# KiCad board armory.kicad_pcb (continued)
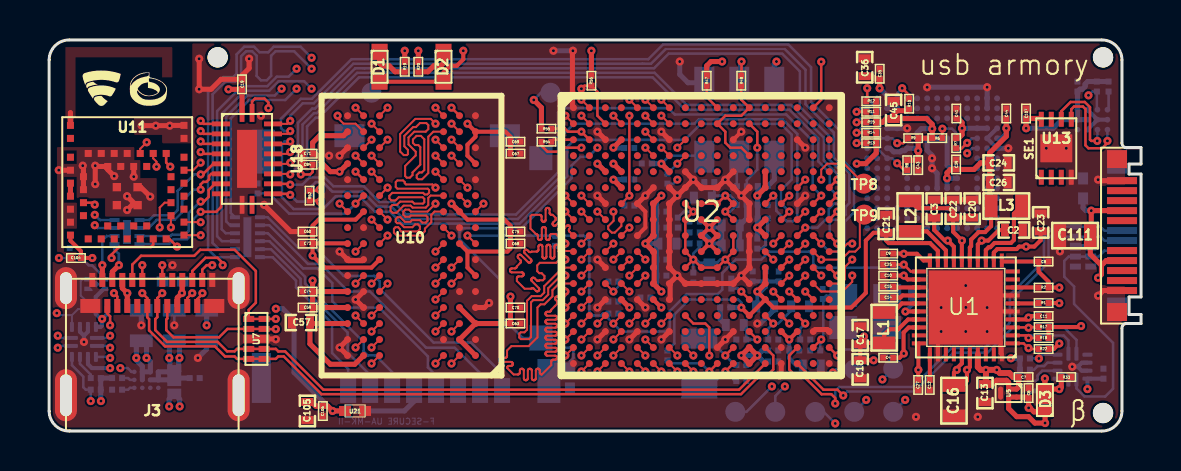
[diagram p0: board, top side]
## Routing (per net, layer and track width the routed paths; a pad name or vN(x,y) marks a point on that pad's centre or on a via; arc(x,y) is an arc through that point) (continued)
/eMMC/SD2_DATA1: length 20.6
  TOP w0.1: U2.B7 v1(30.63,15.78)
  TOP w0.127: v1(40.4,14.93) R14.2
  SIGNAL_1 w0.127: v1(40.4,14.93) 40.78,15.31 40.78,16.12 40.55,16.36 39.88,16.36 39.66,16.14 37.38,16.14 37.36,16.14 37.34,16.13 37.32,16.12 37.3,16.1 37.29,16.08 37.28,16.06 37.28,16.02 37.27,16 37.26,15.98 37.24,15.96 37.23,15.95 37.2,15.94 37.18,15.94 37.13,15.94 37.11,15.94 37.08,15.95 37.07,15.96 37.05,15.98 37.04,16 37.03,16.02 37.03,16.04 37.03,16.24 37.03,16.26 37.02,16.28 37.01,16.3 36.99,16.32 36.97,16.33 36.95,16.34 36.93,16.34 36.87,16.34 36.85,16.34 36.83,16.33 36.81,16.32 36.8,16.3 36.78,16.28 36.78,16.26 36.77,16.24 36.77,16.04 36.77,16.02 36.76,16 36.75,15.98 36.74,15.96 36.72,15.95 36.7,15.94 36.67,15.94 36.62,15.94 36.6,15.94 36.58,15.95 36.56,15.96 36.54,15.98 36.53,16 36.52,16.02 36.52,16.04 36.52,16.24 36.52,16.26 36.51,16.28 36.5,16.3 36.48,16.32 36.46,16.33 36.44,16.34 36.42,16.34 36.37,16.34 36.34,16.34 36.32,16.33 36.3,16.32 36.29,16.3 36.28,16.28 36.27,16.26 36.27,16.24 36.27,16.04 36.26,16.02 36.26,16 36.24,15.98 36.23,15.96 36.21,15.95 36.19,15.94 36.17,15.94 36.11,15.94 36.09,15.94 36.07,15.95 36.05,15.96 36.03,15.98 36.02,16 36.01,16.02 36.01,16.04 36.01,16.24 36.01,16.26 36,16.28 35.99,16.3 35.97,16.32 35.96,16.33 35.93,16.34 35.91,16.34 35.86,16.34 35.84,16.34 35.81,16.33 35.8,16.32 35.78,16.3 35.77,16.28 35.76,16.26 35.76,16.24 35.76,16.04 35.76,16.02 35.75,16 35.74,15.98 35.72,15.96 35.7,15.95 35.68,15.94 35.66,15.94 35.6,15.94 35.58,15.94 35.56,15.95 35.54,15.96 35.53,15.98 35.51,16 35.51,16.02 35.5,16.04 35.5,16.24 35.5,16.26 35.49,16.28 35.48,16.3 35.47,16.32 35.45,16.33 35.43,16.34 35.4,16.34 35.35,16.34 35.33,16.34 35.31,16.33 35.29,16.32 35.27,16.3 35.26,16.28 35.25,16.26 35.25,16.24 35.25,16.04 35.25,16.02 35.24,16 35.23,15.98 35.21,15.96 35.19,15.95 35.17,15.94 35.15,15.94 35.1,15.94 35.07,15.94 35.05,15.95 35.03,15.96 35.02,15.98 35.01,16 35,16.02 35,16.04 35,16.24 34.99,16.26 34.99,16.28 34.97,16.3 34.96,16.32 34.94,16.33 34.92,16.34 34.9,16.34 34.84,16.34 34.82,16.34 34.8,16.33 34.78,16.32 34.76,16.3 34.75,16.28 34.74,16.26 34.74,16.24 34.74,16.04 34.74,16.02 34.73,16 34.72,15.98 34.7,15.96 34.69,15.95 34.66,15.94 34.64,15.94 34.59,15.94 34.57,15.94 34.54,15.95 34.53,15.96 34.51,15.98 34.5,16 34.49,16.02 34.49,16.04 34.49,16.24 34.49,16.26 34.48,16.28 34.47,16.3 34.45,16.32 34.43,16.33 34.41,16.34 34.39,16.34 34.33,16.34 34.31,16.34 34.29,16.33 34.27,16.32 34.26,16.3 34.24,16.28 34.24,16.26 34.23,16.24 34.23,16.04 34.23,16.02 34.22,16 34.21,15.98 34.2,15.96 34.18,15.95 34.16,15.94 34.13,15.94 34.08,15.94 34.06,15.94 34.04,15.95 34.02,15.96 34,15.98 33.99,16 33.98,16.02 33.98,16.04 33.98,16.24 33.98,16.26 33.97,16.28 33.96,16.3 33.94,16.32 33.92,16.33 33.9,16.34 33.88,16.34 33.83,16.34 33.8,16.34 33.78,16.33 33.76,16.32 33.75,16.3 33.74,16.28 33.73,16.26 33.73,16.24 33.73,16.04 33.72,16.02 33.72,16 33.7,15.98 33.69,15.96 33.67,15.95 33.65,15.94 33.63,15.94 33.57,15.94 33.55,15.94 33.53,15.95 33.51,15.96 33.49,15.98 33.48,16 33.47,16.02 33.47,16.04 33.47,16.24 33.47,16.26 33.46,16.28 33.45,16.3 33.43,16.32 33.42,16.33 33.39,16.34 33.37,16.34 33.32,16.34 33.3,16.34 33.27,16.33 33.26,16.32 33.24,16.3 33.23,16.28 33.22,16.26 33.22,16.24 33.22,16.04 33.22,16.02 33.21,16 33.2,15.98 33.18,15.96 33.16,15.95 33.14,15.94 33.12,15.94 33.06,15.94 33.04,15.94 33.02,15.95 33,15.96 32.99,15.98 32.97,16 32.97,16.02 32.96,16.04 32.96,16.24 32.96,16.26 32.95,16.28 32.94,16.3 32.93,16.32 32.91,16.33 32.89,16.34 32.86,16.34 32.81,16.34 32.79,16.34 32.77,16.33 32.75,16.32 32.73,16.3 32.72,16.28 32.71,16.26 32.71,16.24 32.71,16.04 32.71,16.02 32.7,16 32.69,15.98 32.67,15.96 32.65,15.95 32.63,15.94 32.61,15.94 32.56,15.94 32.53,15.94 32.51,15.95 32.49,15.96 32.48,15.98 32.47,16 32.46,16.02 32.46,16.04 32.46,16.24 32.45,16.26 32.45,16.28 32.43,16.3 32.42,16.32 32.4,16.33 32.38,16.34 32.36,16.34 32.3,16.34 32.28,16.34 32.26,16.33 32.24,16.32 32.22,16.3 32.21,16.28 32.2,16.26 32.2,16.24 32.2,16.04 32.2,16.02 32.19,16 32.18,15.98 32.16,15.96 32.15,15.95 32.12,15.94 32.1,15.94 32.05,15.94 32.03,15.94 32,15.95 31.99,15.96 31.97,15.98 31.96,16 31.95,16.02 31.95,16.04 31.95,16.24 31.95,16.26 31.94,16.28 31.93,16.3 31.91,16.32 31.89,16.33 31.87,16.34 31.85,16.34 31.79,16.34 31.77,16.34 31.75,16.33 31.73,16.32 31.72,16.3 31.7,16.28 31.7,16.26 31.69,16.24 31.69,16.14 31.69,16.04 31.69,16.02 31.68,16 31.67,15.98 31.66,15.96 31.64,15.95 31.62,15.94 31.59,15.94 31.54,15.94 31.52,15.94 31.5,15.95 31.48,15.96 31.46,15.98 31.45,16 31.44,16.02 31.44,16.06 31.43,16.08 31.42,16.1 31.4,16.12 31.38,16.13 31.36,16.14 31.34,16.14 30.99,16.14 v1(30.63,15.78)
  BOTTOM w0.127: v1(40.4,14.93) 40.62,15.15 U3.A4
/eMMC/SD2_DATA2: length 20.6
  TOP w0.1: U2.A7 v1(30.63,16.58)
  TOP w0.127: R13.2 40.41,14.41 v1(40.4,14.41)
  SIGNAL_1 w0.127: v1(30.63,16.58) 30.63,16.58 31.06,16.58 31.09,16.59 31.12,16.59 31.14,16.61 31.16,16.63 31.17,16.65 31.18,16.68 31.19,16.71 31.19,16.75 31.19,16.78 31.2,16.8 31.21,16.83 31.23,16.85 31.26,16.86 31.29,16.87 31.31,16.87 31.34,16.87 31.37,16.86 31.39,16.85 31.41,16.83 31.43,16.8 31.44,16.78 31.44,16.75 31.44,16.71 31.44,16.68 31.45,16.65 31.47,16.63 31.49,16.61 31.51,16.59 31.54,16.59 31.57,16.58 31.6,16.59 31.62,16.59 31.65,16.61 31.67,16.63 31.68,16.65 31.69,16.68 31.69,16.71 31.69,16.75 31.7,16.78 31.71,16.8 31.72,16.83 31.74,16.85 31.77,16.86 31.79,16.87 31.82,16.87 31.85,16.87 31.88,16.86 31.9,16.85 31.92,16.83 31.94,16.8 31.95,16.78 31.95,16.75 31.95,16.71 31.95,16.68 31.96,16.65 31.98,16.63 32,16.61 32.02,16.59 32.05,16.59 32.08,16.58 32.1,16.59 32.13,16.59 32.16,16.61 32.18,16.63 32.19,16.65 32.2,16.68 32.2,16.71 32.2,16.75 32.21,16.78 32.22,16.8 32.23,16.83 32.25,16.85 32.27,16.86 32.3,16.87 32.33,16.87 32.36,16.87 32.39,16.86 32.41,16.85 32.43,16.83 32.44,16.8 32.45,16.78 32.46,16.75 32.46,16.71 32.46,16.68 32.47,16.65 32.48,16.63 32.5,16.61 32.53,16.59 32.56,16.59 32.58,16.58 32.61,16.59 32.64,16.59 32.66,16.61 32.68,16.63 32.7,16.65 32.71,16.68 32.71,16.71 32.71,16.75 32.71,16.78 32.72,16.8 32.74,16.83 32.76,16.85 32.78,16.86 32.81,16.87 32.84,16.87 32.87,16.87 32.89,16.86 32.92,16.85 32.94,16.83 32.95,16.8 32.96,16.78 32.97,16.75 32.97,16.71 32.97,16.68 32.98,16.65 32.99,16.63 33.01,16.61 33.04,16.59 33.06,16.59 33.09,16.58 33.12,16.59 33.15,16.59 33.17,16.61 33.19,16.63 33.21,16.65 33.22,16.68 33.22,16.71 33.22,16.75 33.22,16.78 33.23,16.8 33.25,16.83 33.27,16.85 33.29,16.86 33.32,16.87 33.35,16.87 33.37,16.87 33.4,16.86 33.43,16.85 33.45,16.83 33.46,16.8 33.47,16.78 33.47,16.75 33.47,16.71 33.48,16.68 33.49,16.65 33.5,16.63 33.52,16.61 33.54,16.59 33.57,16.59 33.6,16.58 33.63,16.59 33.66,16.59 33.68,16.61 33.7,16.63 33.71,16.65 33.72,16.68 33.73,16.71 33.73,16.75 33.73,16.78 33.74,16.8 33.75,16.83 33.77,16.85 33.8,16.86 33.83,16.87 33.85,16.87 33.88,16.87 33.91,16.86 33.93,16.85 33.95,16.83 33.97,16.8 33.98,16.78 33.98,16.75 33.98,16.71 33.98,16.68 33.99,16.65 34.01,16.63 34.03,16.61 34.05,16.59 34.08,16.59 34.11,16.58 34.14,16.59 34.16,16.59 34.19,16.61 34.21,16.63 34.22,16.65 34.23,16.68 34.24,16.71 34.24,16.75 34.24,16.78 34.25,16.8 34.26,16.83 34.28,16.85 34.31,16.86 34.33,16.87 34.36,16.87 34.39,16.87 34.42,16.86 34.44,16.85 34.46,16.83 34.48,16.8 34.49,16.78 34.49,16.75 34.49,16.71 34.49,16.68 34.5,16.65 34.52,16.63 34.54,16.61 34.56,16.59 34.59,16.59 34.62,16.58 34.64,16.59 34.67,16.59 34.7,16.61 34.72,16.63 34.73,16.65 34.74,16.68 34.74,16.71 34.74,16.75 34.75,16.78 34.76,16.8 34.77,16.83 34.79,16.85 34.81,16.86 34.84,16.87 34.87,16.87 34.9,16.87 34.93,16.86 34.95,16.85 34.97,16.83 34.98,16.8 34.99,16.78 35,16.75 35,16.71 35,16.68 35.01,16.65 35.02,16.63 35.04,16.61 35.07,16.59 35.1,16.59 35.12,16.58 35.15,16.59 35.18,16.59 35.2,16.61 35.22,16.63 35.24,16.65 35.25,16.68 35.25,16.71 35.25,16.75 35.25,16.78 35.26,16.8 35.28,16.83 35.3,16.85 35.32,16.86 35.35,16.87 35.38,16.87 35.41,16.87 35.43,16.86 35.46,16.85 35.48,16.83 35.49,16.8 35.5,16.78 35.5,16.75 35.5,16.71 35.51,16.68 35.52,16.65 35.53,16.63 35.55,16.61 35.58,16.59 35.6,16.59 35.63,16.58 35.66,16.59 35.69,16.59 35.71,16.61 35.73,16.63 35.75,16.65 35.76,16.68 35.76,16.71 35.76,16.75 35.76,16.78 35.77,16.8 35.79,16.83 35.81,16.85 35.83,16.86 35.86,16.87 35.89,16.87 35.91,16.87 35.94,16.86 35.97,16.85 35.99,16.83 36,16.8 36.01,16.78 36.01,16.75 36.01,16.71 36.02,16.68 36.03,16.65 36.04,16.63 36.06,16.61 36.08,16.59 36.11,16.59 36.14,16.58 36.17,16.59 36.2,16.59 36.22,16.61 36.24,16.63 36.25,16.65 36.26,16.68 36.27,16.71 36.27,16.75 36.27,16.78 36.28,16.8 36.29,16.83 36.31,16.85 36.34,16.86 36.37,16.87 36.39,16.87 36.42,16.87 36.45,16.86 36.47,16.85 36.49,16.83 36.51,16.8 36.52,16.78 36.52,16.75 36.52,16.71 36.52,16.68 36.53,16.65 36.55,16.63 36.57,16.61 36.59,16.59 36.62,16.59 36.65,16.58 36.68,16.59 36.7,16.59 36.73,16.61 36.75,16.63 36.76,16.65 36.77,16.68 36.78,16.71 36.78,16.75 36.78,16.78 36.79,16.8 36.8,16.83 36.82,16.85 36.85,16.86 36.87,16.87 36.9,16.87 36.93,16.87 36.96,16.86 36.98,16.85 37,16.83 37.02,16.8 37.03,16.78 37.03,16.75 37.03,16.71 37.03,16.68 37.04,16.65 37.06,16.63 37.08,16.61 37.1,16.59 37.13,16.59 37.16,16.58 37.18,16.59 37.21,16.59 37.24,16.61 37.26,16.63 37.27,16.65 37.28,16.68 37.28,16.71 37.28,16.75 37.29,16.78 37.3,16.8 37.31,16.83 37.33,16.85 37.35,16.86 37.38,16.87 37.41,16.87 37.44,16.87 37.47,16.86 37.49,16.85 37.51,16.83 37.52,16.8 37.53,16.78 37.54,16.75 37.54,16.71 37.54,16.68 37.55,16.65 37.56,16.63 37.58,16.61 37.61,16.59 37.64,16.59 37.66,16.58 37.69,16.59 37.72,16.59 37.74,16.61 37.76,16.63 37.78,16.65 37.79,16.68 37.79,16.71 37.79,16.75 37.79,16.78 37.8,16.8 37.82,16.83 37.84,16.85 37.86,16.86 37.89,16.87 37.92,16.87 37.95,16.87 37.97,16.86 38,16.85 38.02,16.83 38.03,16.8 38.04,16.78 38.05,16.75 38.05,16.71 38.05,16.68 38.06,16.65 38.07,16.63 38.09,16.61 38.12,16.59 38.14,16.59 38.17,16.58 38.2,16.59 38.23,16.59 38.25,16.61 38.27,16.63 38.29,16.65 38.3,16.68 38.3,16.71 38.3,16.75 38.3,16.78 38.31,16.8 38.33,16.83 38.35,16.85 38.37,16.86 38.4,16.87 38.43,16.87 38.45,16.87 38.48,16.86 38.51,16.85 38.53,16.83 38.54,16.8 38.55,16.78 38.55,16.75 38.55,16.71 38.56,16.68 38.57,16.65 38.58,16.63 38.6,16.61 38.62,16.59 38.65,16.59 38.68,16.58 38.71,16.59 38.74,16.59 38.76,16.61 38.78,16.63 38.79,16.65 38.8,16.68 38.81,16.71 38.81,16.75 38.81,16.78 38.82,16.8 38.83,16.83 38.85,16.85 38.88,16.86 38.91,16.87 38.93,16.87 38.96,16.87 38.99,16.86 39.01,16.85 39.03,16.83 39.05,16.8 39.06,16.78 39.06,16.75 39.06,16.71 39.06,16.68 39.07,16.65 39.09,16.63 39.11,16.61 39.13,16.59 39.16,16.59 39.19,16.58 39.22,16.59 39.24,16.59 39.27,16.61 39.29,16.63 39.3,16.65 39.31,16.68 39.31,16.71 39.31,16.75 39.32,16.78 39.33,16.8 39.34,16.83 39.36,16.85 39.39,16.86 39.41,16.87 39.44,16.87 39.47,16.87 39.5,16.86 39.52,16.85 39.54,16.83 39.56,16.8 39.57,16.78 39.57,16.75 39.57,16.71 39.57,16.68 39.58,16.65 39.6,16.63 39.62,16.61 39.64,16.59 39.67,16.59 39.7,16.58 40.68,16.58 41.11,16.15 41.11,15.12 v1(40.4,14.41)
  BOTTOM w0.127: v1(40.4,14.41) 40.64,14.65 U3.A5
/eMMC/SD2_DATA3: length 20.8
  TOP w0.1: v1(29.83,14.18) U2.D6
  TOP w0.127: v1(40.93,17.16) 40.93,16.55 R12.2
  SIGNAL_1 w0.127: v1(40.93,17.16) 42.01,16.08 42.01,15.47 42.82,14.66 42.82,14.16 42.57,13.91 42.26,13.91 42.07,14.1 41.08,14.1 40.73,13.75 32.45,13.75 32.15,14.05 32.15,14.36 31.96,14.55 31.2,14.55 31.03,14.38 31.03,13.94 30.87,13.78 U2.D6 v1(29.83,14.18)
  BOTTOM w0.127: v1(40.93,17.15) U3.A1 U3.B2
/eMMC/SD2_DATA4: length 20.6
  TOP w0.1: v1(29.83,14.98) U2.C6
  TOP w0.127: R11.2 40.41,15.98 v1(40.4,15.97)
  SIGNAL_1 w0.127: v1(29.83,14.98) 30.23,15.38 31.09,15.38 31.22,15.51 31.53,15.51 31.55,15.51 31.57,15.5 31.59,15.49 31.61,15.47 31.62,15.45 31.63,15.43 31.63,15.39 31.64,15.37 31.65,15.35 31.67,15.33 31.69,15.32 31.71,15.31 31.73,15.31 31.78,15.31 31.81,15.31 31.83,15.32 31.85,15.33 31.86,15.35 31.87,15.37 31.88,15.39 31.88,15.41 31.88,15.61 31.89,15.63 31.89,15.65 31.91,15.67 31.92,15.69 31.94,15.7 31.96,15.71 31.98,15.71 32.04,15.71 32.06,15.71 32.08,15.7 32.1,15.69 32.12,15.67 32.13,15.65 32.14,15.63 32.14,15.61 32.14,15.41 32.14,15.39 32.15,15.37 32.16,15.35 32.18,15.33 32.19,15.32 32.22,15.31 32.24,15.31 32.29,15.31 32.31,15.31 32.34,15.32 32.35,15.33 32.37,15.35 32.38,15.37 32.39,15.39 32.39,15.41 32.39,15.61 32.39,15.63 32.4,15.65 32.41,15.67 32.43,15.69 32.45,15.7 32.47,15.71 32.49,15.71 32.55,15.71 32.57,15.71 32.59,15.7 32.61,15.69 32.62,15.67 32.64,15.65 32.64,15.63 32.65,15.61 32.65,15.41 32.65,15.39 32.66,15.37 32.67,15.35 32.68,15.33 32.7,15.32 32.72,15.31 32.75,15.31 32.8,15.31 32.82,15.31 32.84,15.32 32.86,15.33 32.88,15.35 32.89,15.37 32.9,15.39 32.9,15.41 32.9,15.61 32.9,15.63 32.91,15.65 32.92,15.67 32.94,15.69 32.96,15.7 32.98,15.71 33,15.71 33.05,15.71 33.08,15.71 33.1,15.7 33.12,15.69 33.13,15.67 33.14,15.65 33.15,15.63 33.15,15.61 33.15,15.41 33.16,15.39 33.16,15.37 33.18,15.35 33.19,15.33 33.21,15.32 33.23,15.31 33.25,15.31 33.31,15.31 33.33,15.31 33.35,15.32 33.37,15.33 33.39,15.35 33.4,15.37 33.41,15.39 33.41,15.41 33.41,15.61 33.41,15.63 33.42,15.65 33.43,15.67 33.45,15.69 33.46,15.7 33.49,15.71 33.51,15.71 33.56,15.71 33.58,15.71 33.61,15.7 33.62,15.69 33.64,15.67 33.65,15.65 33.66,15.63 33.66,15.61 33.66,15.41 33.66,15.39 33.67,15.37 33.68,15.35 33.7,15.33 33.72,15.32 33.74,15.31 33.76,15.31 33.82,15.31 33.84,15.31 33.86,15.32 33.88,15.33 33.89,15.35 33.91,15.37 33.91,15.39 33.92,15.41 33.92,15.61 33.92,15.63 33.93,15.65 33.94,15.67 33.95,15.69 33.97,15.7 33.99,15.71 34.02,15.71 34.07,15.71 34.09,15.71 34.11,15.7 34.13,15.69 34.15,15.67 34.16,15.65 34.17,15.63 34.17,15.61 34.17,15.41 34.17,15.39 34.18,15.37 34.19,15.35 34.21,15.33 34.23,15.32 34.25,15.31 34.27,15.31 34.32,15.31 34.35,15.31 34.37,15.32 34.39,15.33 34.4,15.35 34.41,15.37 34.42,15.39 34.42,15.41 34.42,15.61 34.43,15.63 34.43,15.65 34.45,15.67 34.46,15.69 34.48,15.7 34.5,15.71 34.52,15.71 34.58,15.71 34.6,15.71 34.62,15.7 34.64,15.69 34.66,15.67 34.67,15.65 34.68,15.63 34.68,15.61 34.68,15.44 34.68,15.42 34.69,15.4 34.69,15.39 34.71,15.38 34.72,15.37 34.74,15.36 34.75,15.36 34.86,15.36 34.87,15.36 34.89,15.37 34.9,15.38 34.92,15.39 34.92,15.4 34.93,15.42 34.93,15.44 34.93,15.61 34.93,15.63 34.94,15.65 34.95,15.67 34.97,15.69 34.99,15.7 35.01,15.71 35.03,15.71 35.09,15.71 35.11,15.71 35.13,15.7 35.15,15.69 35.16,15.67 35.18,15.65 35.18,15.63 35.19,15.61 35.19,15.44 35.19,15.42 35.19,15.4 35.2,15.39 35.21,15.38 35.23,15.37 35.24,15.36 35.26,15.36 35.37,15.36 35.38,15.36 35.4,15.37 35.41,15.38 35.42,15.39 35.43,15.4 35.44,15.42 35.44,15.44 35.44,15.61 35.44,15.63 35.45,15.65 35.46,15.67 35.48,15.69 35.5,15.7 35.52,15.71 35.54,15.71 35.59,15.71 35.62,15.71 35.64,15.7 35.66,15.69 35.67,15.67 35.68,15.65 35.69,15.63 35.69,15.61 35.69,15.41 35.7,15.39 35.7,15.37 35.72,15.35 35.73,15.33 35.75,15.32 35.77,15.31 35.79,15.31 35.85,15.31 35.87,15.31 35.89,15.32 35.91,15.33 35.93,15.35 35.94,15.37 35.95,15.39 35.95,15.41 35.95,15.61 35.95,15.63 35.96,15.65 35.97,15.67 35.99,15.69 36,15.7 36.03,15.71 36.05,15.71 36.1,15.71 36.12,15.71 36.15,15.7 36.16,15.69 36.18,15.67 36.19,15.65 36.2,15.63 36.2,15.61 36.2,15.41 36.2,15.39 36.21,15.37 36.22,15.35 36.24,15.33 36.26,15.32 36.28,15.31 36.3,15.31 36.36,15.31 36.38,15.31 36.4,15.32 36.42,15.33 36.43,15.35 36.45,15.37 36.45,15.39 36.46,15.41 36.46,15.61 36.46,15.63 36.47,15.65 36.48,15.67 36.49,15.69 36.51,15.7 36.53,15.71 36.56,15.71 36.61,15.71 36.63,15.71 36.65,15.7 36.67,15.69 36.69,15.67 36.7,15.65 36.71,15.63 36.71,15.61 36.71,15.41 36.71,15.39 36.72,15.37 36.73,15.35 36.75,15.33 36.77,15.32 36.79,15.31 36.81,15.31 36.86,15.31 36.89,15.31 36.91,15.32 36.93,15.33 36.94,15.35 36.95,15.37 36.96,15.39 36.96,15.41 36.96,15.61 36.97,15.63 36.97,15.65 36.99,15.67 37,15.69 37.02,15.7 37.04,15.71 37.06,15.71 37.12,15.71 37.14,15.71 37.16,15.7 37.18,15.69 37.2,15.67 37.21,15.65 37.22,15.63 37.22,15.61 37.22,15.41 37.22,15.39 37.23,15.37 37.24,15.35 37.26,15.33 37.27,15.32 37.3,15.31 37.32,15.31 37.37,15.31 37.39,15.31 37.42,15.32 37.43,15.33 37.45,15.35 37.46,15.37 37.47,15.39 37.47,15.41 37.47,15.61 37.47,15.63 37.48,15.65 37.49,15.67 37.51,15.69 37.53,15.7 37.55,15.71 37.57,15.71 38.38,15.71 38.58,15.51 39.46,15.51 39.93,15.97 v1(40.4,15.97)
  BOTTOM w0.127: v1(40.4,15.97) 40.57,16.15 U3.A2 U3.B3
/eMMC/SD2_DATA5: length 20.8
  TOP w0.1: U2.B6 v1(29.83,15.78)
  TOP w0.127: R10.2 43.03,16.8 v1(42.68,17.16)
  SIGNAL_1 w0.127: v1(42.68,17.16) 41.89,17.95 29.27,17.95 28.64,17.32 28.64,16.37 28.83,16.18 29.43,16.18 v1(29.83,15.78)
  BOTTOM w0.127: v1(42.68,17.16) 42.43,16.91 U3.D1 U3.D2 U3.C3 U3.B4
/eMMC/SD2_DATA6: length 20.7
  TOP w0.1: v1(29.83,16.58) U2.A6
  TOP w0.127: R9.2 42.73,14.41 v1(42.43,14.41)
  SIGNAL_1 w0.127: v1(42.43,14.41) 42.43,14.73 41.78,15.38 41.78,15.81 40.77,16.82 40.24,16.82 39.76,17.3 39.28,17.3 39.26,17.3 39.24,17.29 39.22,17.28 39.2,17.27 39.19,17.25 39.18,17.23 39.18,17.18 39.17,17.16 39.16,17.14 39.14,17.13 39.13,17.11 39.11,17.11 39.08,17.1 39.03,17.1 39.01,17.11 38.98,17.11 38.97,17.13 38.95,17.14 38.94,17.16 38.93,17.18 38.93,17.23 38.92,17.25 38.91,17.27 38.89,17.28 38.87,17.29 38.85,17.3 38.83,17.3 38.77,17.3 38.75,17.3 38.73,17.29 38.71,17.28 38.7,17.27 38.68,17.25 38.68,17.23 38.67,17.18 38.66,17.16 38.65,17.14 38.64,17.13 38.62,17.11 38.6,17.11 38.57,17.1 38.52,17.1 38.5,17.11 38.48,17.11 38.46,17.13 38.44,17.14 38.43,17.16 38.42,17.18 38.42,17.23 38.41,17.25 38.4,17.27 38.38,17.28 38.36,17.29 38.34,17.3 38.32,17.3 38.27,17.3 38.24,17.3 38.22,17.29 38.2,17.28 38.19,17.27 38.18,17.25 38.17,17.23 38.16,17.18 38.16,17.16 38.14,17.14 38.13,17.13 38.11,17.11 38.09,17.11 38.07,17.1 38.01,17.1 37.99,17.11 37.97,17.11 37.95,17.13 37.93,17.14 37.92,17.16 37.91,17.18 37.91,17.23 37.9,17.25 37.89,17.27 37.87,17.28 37.86,17.29 37.84,17.3 37.81,17.3 37.76,17.3 37.74,17.3 37.71,17.29 37.7,17.28 37.68,17.27 37.67,17.25 37.66,17.23 37.66,17.18 37.65,17.16 37.64,17.14 37.62,17.13 37.6,17.11 37.58,17.11 37.56,17.1 37.5,17.1 37.48,17.11 37.46,17.11 37.44,17.13 37.43,17.14 37.41,17.16 37.41,17.18 37.4,17.23 37.39,17.25 37.38,17.27 37.37,17.28 37.35,17.29 37.33,17.3 37.3,17.3 37.25,17.3 37.23,17.3 37.21,17.29 37.19,17.28 37.17,17.27 37.16,17.25 37.15,17.23 37.15,17.18 37.14,17.16 37.13,17.14 37.11,17.13 37.09,17.11 37.07,17.11 37.05,17.1 37,17.1 36.97,17.11 36.95,17.11 36.93,17.13 36.92,17.14 36.91,17.16 36.9,17.18 36.89,17.23 36.89,17.25 36.87,17.27 36.86,17.28 36.84,17.29 36.82,17.3 36.8,17.3 36.74,17.3 36.72,17.3 36.7,17.29 36.68,17.28 36.66,17.27 36.65,17.25 36.64,17.23 36.64,17.18 36.63,17.16 36.62,17.14 36.6,17.13 36.59,17.11 36.57,17.11 36.54,17.1 36.49,17.1 36.47,17.11 36.44,17.11 36.43,17.13 36.41,17.14 36.4,17.16 36.39,17.18 36.39,17.23 36.38,17.25 36.37,17.27 36.35,17.28 36.33,17.29 36.31,17.3 36.29,17.3 36.23,17.3 36.21,17.3 36.19,17.29 36.17,17.28 36.16,17.27 36.14,17.25 36.14,17.23 36.13,17.18 36.12,17.16 36.11,17.14 36.1,17.13 36.08,17.11 36.06,17.11 36.03,17.1 35.98,17.1 35.96,17.11 35.94,17.11 35.92,17.13 35.9,17.14 35.89,17.16 35.88,17.18 35.88,17.23 35.87,17.25 35.86,17.27 35.84,17.28 35.82,17.29 35.8,17.3 35.78,17.3 35.73,17.3 35.7,17.3 35.68,17.29 35.66,17.28 35.65,17.27 35.64,17.25 35.63,17.23 35.62,17.18 35.62,17.16 35.6,17.14 35.59,17.13 35.57,17.11 35.55,17.11 35.53,17.1 35.47,17.1 35.45,17.11 35.43,17.11 35.41,17.13 35.39,17.14 35.38,17.16 35.37,17.18 35.37,17.23 35.36,17.25 35.35,17.27 35.33,17.28 35.32,17.29 35.3,17.3 35.27,17.3 35.22,17.3 35.2,17.3 35.17,17.29 35.16,17.28 35.14,17.27 35.13,17.25 35.12,17.23 35.12,17.18 35.11,17.16 35.1,17.14 35.08,17.13 35.06,17.11 35.04,17.11 35.02,17.1 34.96,17.1 34.94,17.11 34.92,17.11 34.9,17.13 34.89,17.14 34.87,17.16 34.87,17.18 34.86,17.23 34.85,17.25 34.84,17.27 34.83,17.28 34.81,17.29 34.79,17.3 34.76,17.3 34.71,17.3 34.69,17.3 34.67,17.29 34.65,17.28 34.63,17.27 34.62,17.25 34.61,17.23 34.61,17.18 34.6,17.16 34.59,17.14 34.57,17.13 34.55,17.11 34.53,17.11 34.51,17.1 34.46,17.1 34.43,17.11 34.41,17.11 34.39,17.13 34.38,17.14 34.37,17.16 34.36,17.18 34.35,17.23 34.35,17.25 34.33,17.27 34.32,17.28 34.3,17.29 34.28,17.3 34.26,17.3 34.2,17.3 34.18,17.3 34.16,17.29 34.14,17.28 34.12,17.27 34.11,17.25 34.1,17.23 34.1,17.18 34.09,17.16 34.08,17.14 34.06,17.13 34.05,17.11 34.03,17.11 34,17.1 33.95,17.1 33.93,17.11 33.9,17.11 33.89,17.13 33.87,17.14 33.86,17.16 33.85,17.18 33.85,17.23 33.84,17.25 33.83,17.27 33.81,17.28 33.79,17.29 33.77,17.3 33.75,17.3 33.69,17.3 33.67,17.3 33.65,17.29 33.63,17.28 33.62,17.27 33.6,17.25 33.6,17.23 33.59,17.18 33.58,17.16 33.57,17.14 33.56,17.13 33.54,17.11 33.52,17.11 33.49,17.1 33.44,17.1 33.42,17.11 33.4,17.11 33.38,17.13 33.36,17.14 33.35,17.16 33.34,17.18 33.34,17.23 33.33,17.25 33.32,17.27 33.3,17.28 33.28,17.29 33.26,17.3 33.24,17.3 33.19,17.3 33.16,17.3 33.14,17.29 33.12,17.28 33.11,17.27 33.1,17.25 33.09,17.23 33.08,17.18 33.08,17.16 33.06,17.14 33.05,17.13 33.03,17.11 33.01,17.11 32.99,17.1 32.93,17.1 32.91,17.11 32.89,17.11 32.87,17.13 32.85,17.14 32.84,17.16 32.83,17.18 32.83,17.23 32.82,17.25 32.81,17.27 32.79,17.28 32.78,17.29 32.76,17.3 32.73,17.3 32.68,17.3 32.66,17.3 32.63,17.29 32.62,17.28 32.6,17.27 32.59,17.25 32.58,17.23 32.58,17.18 32.57,17.16 32.56,17.14 32.54,17.13 32.52,17.11 32.5,17.11 32.48,17.1 32.42,17.1 32.4,17.11 32.38,17.11 32.36,17.13 32.35,17.14 32.33,17.16 32.33,17.18 32.32,17.23 32.31,17.25 32.3,17.27 32.29,17.28 32.27,17.29 32.25,17.3 32.22,17.3 32.17,17.3 32.15,17.3 32.13,17.29 32.11,17.28 32.09,17.27 32.08,17.25 32.07,17.23 32.07,17.18 32.06,17.16 32.05,17.14 32.03,17.13 32.01,17.11 31.99,17.11 31.97,17.1 31.92,17.1 31.89,17.11 31.87,17.11 31.85,17.13 31.84,17.14 31.83,17.16 31.82,17.18 31.81,17.23 31.81,17.25 31.79,17.27 31.78,17.28 31.76,17.29 31.74,17.3 31.72,17.3 31.66,17.3 31.64,17.3 31.62,17.29 31.6,17.28 31.58,17.27 31.57,17.25 31.56,17.23 31.56,17.18 31.55,17.16 31.54,17.14 31.52,17.13 31.51,17.11 31.49,17.11 31.46,17.1 31.41,17.1 31.39,17.11 31.36,17.11 31.35,17.13 31.33,17.14 31.32,17.16 31.31,17.18 31.31,17.23 31.3,17.25 31.29,17.27 31.27,17.28 31.25,17.29 31.23,17.3 31.21,17.3 31.15,17.3 31.13,17.3 31.11,17.29 31.09,17.28 31.08,17.27 31.06,17.25 31.06,17.23 31.05,17.18 31.04,17.16 31.03,17.14 31.02,17.13 31,17.11 30.98,17.11 30.95,17.1 30.9,17.1 30.88,17.11 30.86,17.11 30.84,17.13 30.82,17.14 30.81,17.16 30.8,17.18 30.8,17.23 30.79,17.25 30.78,17.27 30.76,17.28 30.74,17.29 30.72,17.3 30.7,17.3 30.65,17.3 30.62,17.3 30.6,17.29 30.58,17.28 30.57,17.27 30.56,17.25 30.55,17.23 30.54,17.18 30.54,17.16 30.52,17.14 30.51,17.13 30.49,17.11 30.47,17.11 30.45,17.1 30.35,17.1 v1(29.83,16.58)
  BOTTOM w0.127: 42.43,14.42 v1(42.43,14.41) 42.19,14.65 U3.C5 U3.B5
/eMMC/SD2_DATA7: length 20.7
  TOP w0.1: v1(29.03,16.58) U2.A5
  TOP w0.127: R8.2 42.78,13.05 v1(42.43,13.4)
  SIGNAL_1 w0.127: v1(42.43,13.4) 43.05,14.02 43.05,14.72 43.3,14.97 43.3,15.62 42.03,16.89 42.03,17.21 41.71,17.53 29.98,17.53 v1(29.03,16.58)
  BOTTOM w0.127: v1(42.43,13.4) 42.18,13.65 U3.C7 U3.B6
/eMMC/SD2_RESET_B: length 22.7
  TOP w0.1: U2.B4 v1(28.23,15.78)
  TOP w0.127: v1(44.69,15.13) 44.69,15.12 R6.2
  SIGNAL_1 w0.127: v1(44.69,15.13) 44.69,15.78 41.56,18.91 29.82,18.91 28.23,17.32 v1(28.23,15.78)
  BOTTOM w0.127: v1(44.69,15.13) 45.17,15.13 45.43,14.87 U3.K5
/microSD/SD1_CLK: length 30.9
  TOP w0.127: v1(26.63,14.18) 25.73,14.18 25.53,13.98 24.93,13.98 24.63,14.28 R54.1
  SIGNAL_1 w0.127: v1(13.13,17.13) 13.71,17.13 14.02,17.45 14.69,17.45 14.94,17.2 25.41,17.2 25.7,16.91 25.7,16.62 25.23,16.15 25.23,15.28 26.33,14.18 v1(26.63,14.18)
  BOTTOM w0.127: v1(13.13,17.13) 12.75,17.5 11.48,17.5 11,17.03 9.79,17.03 8.63,15.87 8.63,10.1 8.83,9.9 U12.10
/microSD/SD1_CLK_ESD: length 13.4
  BOTTOM w0.127: J1.5 19.36,2.77 18.95,3.18 18.95,3.73 16.5,6.18 14.48,6.18 14.17,6.49 14.17,7.4 13.43,8.14 12.7,8.14 10.94,9.9 U12.3
/microSD/SD1_CLK_R: length 1.1
  TOP w0.127: U2.C1 25.23,14.58 R54.2
/microSD/SD1_CMD: length 33.7
  TOP w0.127: R55.2 25.81,15.13 25.96,14.98 v1(26.63,14.98) U2.C2
  SIGNAL_1 w0.127: v1(12.38,18.13) 12.38,18.46 12.97,19.05 14.73,19.05 15.43,18.36 26.99,18.36 27.49,17.86 27.49,16.09 26.63,15.23 v1(26.63,14.98)
  BOTTOM w0.127: v1(12.38,18.13) 11.98,17.73 11.39,17.73 10.91,17.26 9.65,17.26 8.4,16.01 8.4,9.75 8.65,9.5 U12.9
/microSD/SD1_CMD_ESD: length 10.7
  BOTTOM w0.127: J1.3 17.16,2.95 16.33,3.78 15.93,3.78 15.73,3.98 15.73,4.45 12.81,7.38 12.81,7.71 11.02,9.5 U12.4
/microSD/SD1_DATA0: length 27.6
  TOP w0.127: U2.B3 27.43,15.78 27.43,16.98 R56.2 26.78,17.28 v1(26.63,17.13)
  SIGNAL_1 w0.127: v1(11.63,17.13) 12.25,17.75 13.48,17.75 13.63,17.9 14.88,17.9 15.11,17.68 26.33,17.68 26.63,17.38 v1(26.63,17.13)
  BOTTOM w0.127: v1(11.63,17.13) 11.29,16.79 9.91,16.79 8.86,15.74 8.86,10.49 9.05,10.3 U12.11
/microSD/SD1_DATA0_ESD: length 15
  BOTTOM w0.127: J1.7 21.56,2.9 20.29,4.17 18.86,4.17 16.05,6.98 14.97,6.98 13.59,8.36 12.95,8.36 11.01,10.3 U12.2
/microSD/SD1_DATA1: length 26.6
  TOP w0.1: U2.B2 v1(26.63,15.78)